# Allegro board A733_PRO2_AXP318_LPDDR4_4X_200BALL_32X1_V1_1.brd (continued)
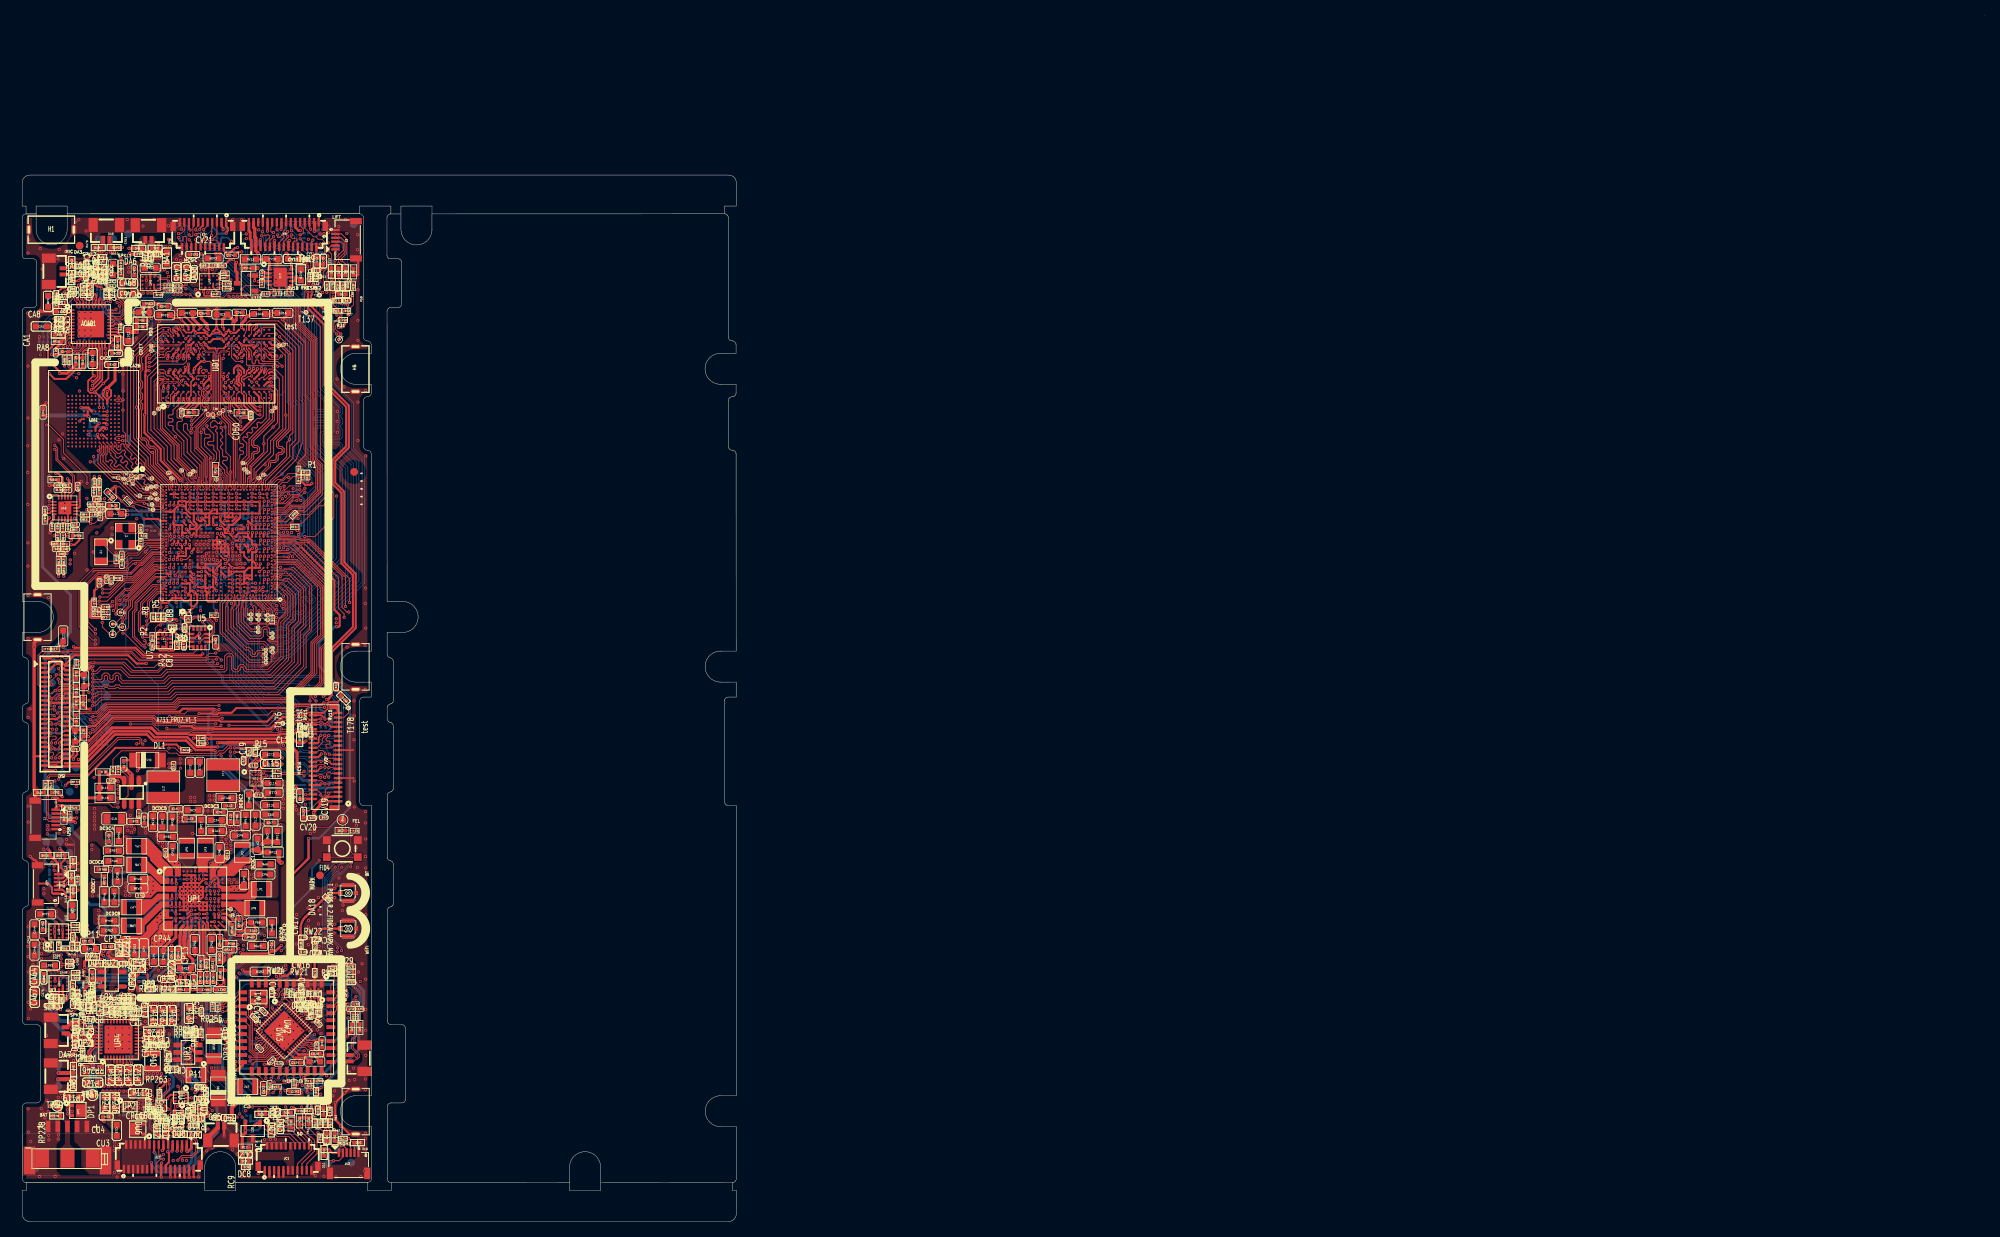
[diagram p0: board, top side]
## Footprints (pads in the part's own frame, mm; a bottom-side part is the same pattern mirrored in y, then rotated) (continued)
  rect 1.5x0.6 smd: 1(0,2.5) 2(0,1.25) 3(0,0) 4(0,-1.25) 5(0,-2.5)
  rect 3.6x1.5 smd: 6(4.4,-4.9) 7(4.4,4.9)
DFN3P130B200_200H65
  rect 0.4x0.5 smd: 1(0.65,0.75) 2(-0.65,0.75)
  rect 1.6x1.35 smd: 3(0,-0.425)
DFN11P50B300_300H75
  rect 0.6x0.24 smd: 1(-1.4,1) 2(-1.4,0.5) 3(-1.4,0) 4(-1.4,-0.5) 5(-1.4,-1) 6(1.4,-1) 7(1.4,-0.5) 8(1.4,0) 9(1.4,0.5) 10(1.4,1)
  rect 1.7x2.4 smd: 11(0,0)
DPX6P50B60_160H80
  rect 0.25x0.55 smd: 1(-0.5,0.425) 2(0,0.425) 3(0.5,0.425) 4(0.5,-0.425) 5(0,-0.425) 6(-0.5,-0.425)
ESD0201
  rect 0.3x0.3 smd: 1(-0.25,0) 2(0.25,0)
ESD0402
  rect 0.5x0.5 smd: 1(-0.425,0) 2(0.425,0)
FCQFN12P40B130_180H55
  round 0.25 smd: A1(-0.6,0.4) A2(-0.2,0.4) A3(0.2,0.4) A4(0.6,0.4) B1(-0.6,0) B2(-0.2,0) B3(0.2,0) B4(0.6,0) C1(-0.6,-0.4) C2(-0.2,-0.4) C3(0.2,-0.4) C4(0.6,-0.4)
FH26-21S
  rect 0.3x1.1 smd: 1(-5.7,-1.7) 3(-5.1,-1.7) 5(-4.5,-1.7) 7(-3.9,-1.7) 9(-3.3,-1.7) 11(-2.7,-1.7) 13(-2.1,-1.7) 15(-1.5,-1.7) 17(-0.9,-1.7) 19(-0.3,-1.7) 21(0.3,-1.7)
  rect 0.3x0.95 smd: 2(-5.4,1.475) 4(-4.8,1.475) 6(-4.2,1.475) 8(-3.6,1.475) 10(-3,1.475) 12(-2.4,1.475) 14(-1.8,1.475) 16(-1.2,1.475) 18(-0.6,1.475) 20(0,1.475)
  rect 0.7x1.2 smd: 22(-6.55,-1.175) 23(1.15,-1.175)
FH26-31S
  rect 0.3x1.1 smd: 1(-4.5,-1.7) 2(-4.2,1.475) 3(-3.9,-1.7) 4(-3.6,1.475) 5(-3.3,-1.7) 6(-3,1.475) 7(-2.7,-1.7) 8(-2.4,1.475) 9(-2.1,-1.7) 10(-1.8,1.475) 11(-1.5,-1.7) 12(-1.2,1.475) 13(-0.9,-1.7) 14(-0.6,1.475) 15(-0.3,-1.7) 16(0,1.475) 17(0.3,-1.7) 18(0.6,1.475) 19(0.9,-1.7) 20(1.2,1.475) 21(1.5,-1.7) 22(1.8,1.475) 23(2.1,-1.7) 24(2.4,1.475) 25(2.7,-1.7) 26(3,1.475) 27(3.3,-1.7) 28(3.6,1.475) 29(3.9,-1.7) 30(4.2,1.475) 31(4.5,-1.7)
  rect 0.7x1.2 smd: 32(5.35,-1.175) 33(-5.35,-1.175)
FIDICALMARK
  round 1 smd: 1(0,0)
FPC6-0_3-2_5X4_5H1_0L
  rect 0.3x1.1 smd: 1(-1.24,1.4) 2(-0.74,1.4) 3(-0.24,1.4) 4(0.26,1.4) 5(0.76,1.4) 6(1.26,1.4)
  rect 0.8x1.5 smd: 7(-2.4,-1.25) 8(2.4,-1.25)
KEY_3X3
  rect 1x1 smd: 1(-2,1.1) 2(2,1.1) 3(2,-1.1) 4(-2,-1.1)
KEZI
  oval 0.6x1.3 hole 0.3x1: 1(-2.9,0) 2(2.9,0)
L0201
  rect 0.3x0.3 smd: 1(-0.25,0) 2(0.25,0)
L0603
  rect 0.76x0.76 smd: 1(-0.71,0) 2(0.71,0)
LC4B120_200H120
  rect 0.68x0.48 smd: 1(-0.96,0.46) 2(0.96,0.46) 3(0.96,-0.46) 4(-0.96,-0.46)
LED0402
  rect 0.5x0.5 smd: 1(-0.425,0) 2(0.425,0)
LGA12P50B200_200H100
  rect 0.3x0.35 smd: 1(-0.75,0.8) 4(-0.75,-0.8) 5(-0.25,-0.8) 6(0.25,-0.8) 7(0.75,-0.8) 10(0.75,0.8) 11(0.25,0.8) 12(-0.25,0.8)
  rect 0.35x0.3 smd: 2(-0.8,0.25) 3(-0.8,-0.25) 8(0.8,-0.25) 9(0.8,0.25)
LGA14P50B250_300H81
  rect 0.7x0.3 smd: 1(-1.25,0.75) 2(-1.25,0.25) 3(-1.25,-0.25) 4(-1.25,-0.75) 8(1.25,-0.75) 9(1.25,-0.25) 10(1.25,0.25) 11(1.25,0.75)
  rect 0.3x0.7 smd: 5(-0.5,-1) 6(0,-1) 7(0.5,-1) 12(0.5,1) 13(0,1) 14(-0.5,1)
LP200_250H100
  rect 0.8x2 smd: 1(-1,0) 2(1,0)
LP400_400H180
  rect 1.5x4.2 smd: 1(-1.35,0) 2(1.35,0)
PFC41P60B13500_350H100
  rect 0.3x1.1 smd: 1(-5.7,-1.669) 2(-5.4,1.581) 3(-5.1,-1.669) 4(-4.8,1.581) 5(-4.5,-1.669) 6(-4.2,1.581) 7(-3.9,-1.669) 8(-3.6,1.581) 9(-3.3,-1.669) 10(-3,1.581) 11(-2.7,-1.669) 12(-2.4,1.581) 13(-2.1,-1.669) 14(-1.8,1.581) 15(-1.5,-1.669) 16(-1.2,1.581) 17(-0.9,-1.669) 18(-0.6,1.581) 19(-0.3,-1.669) 20(0,1.581) 21(0.3,-1.669) 22(0.6,1.581) 23(0.9,-1.669) 24(1.2,1.581) 25(1.5,-1.669) 26(1.8,1.581) 27(2.1,-1.669) 28(2.4,1.581) 29(2.7,-1.669) 30(3,1.581) 31(3.3,-1.669) 32(3.6,1.581) 33(3.9,-1.669) 34(4.2,1.581) 35(4.5,-1.669) 36(4.8,1.581) 37(5.1,-1.669) 38(5.4,1.581) 39(5.7,-1.669)
  rect 0.7x1.2 smd: 40(6.55,-1.144) 41(-6.55,-1.144)
QFN10P40B140_180H55
  rect 0.7x0.2 smd: 1(-0.55,0.2)
  rect 0.6x0.2 smd: 2(-0.6,-0.2) 6(0.6,-0.2) 7(0.6,0.2)
  rect 0.2x0.6 smd: 3(-0.4,-0.8) 4(0,-0.8) 5(0.4,-0.8) 8(0.4,0.8) 9(0,0.8) 10(-0.4,0.8)
QFN20P40B300_300H75
  rect 0.63x0.2 smd: 1(-1.385,0.8) 2(-1.385,0.4) 3(-1.385,0) 4(-1.385,-0.4) 5(-1.385,-0.8) 11(1.385,-0.8) 12(1.385,-0.4) 13(1.385,0) 14(1.385,0.4) 15(1.385,0.8)
  rect 0.2x0.63 smd: 6(-0.8,-1.385) 7(-0.4,-1.385) 8(0,-1.385) 9(0.4,-1.385) 10(0.8,-1.385) 16(0.8,1.385) 17(0.4,1.385) 18(0,1.385) 19(-0.4,1.385) 20(-0.8,1.385)
  rect 1.65x1.65 smd: 21(0,0)
QFN40P0_40B5_00X5_00H0_75
  custom 0.8x0.2 smd: 1(-2.5,1.8) 2(-2.5,1.4) 3(-2.5,1) 4(-2.5,0.6) 5(-2.5,0.2) 6(-2.5,-0.2) 7(-2.5,-0.6) 8(-2.5,-1) 9(-2.5,-1.4) 10(-2.5,-1.8) 21(2.5,-1.8) 22(2.5,-1.4) 23(2.5,-1) 24(2.5,-0.6) 25(2.5,-0.2) 26(2.5,0.2) 27(2.5,0.6) 28(2.5,1) 29(2.5,1.4) 30(2.5,1.8)
  custom 0.2x0.8 smd: 11(-1.8,-2.5) 12(-1.4,-2.5) 13(-1,-2.5) 14(-0.6,-2.5) 15(-0.2,-2.5) 16(0.2,-2.5) 17(0.6,-2.5) 18(1,-2.5) 19(1.4,-2.5) 20(1.8,-2.5) 31(1.8,2.5) 32(1.4,2.5) 33(1,2.5) 34(0.6,2.5) 35(0.2,2.5) 36(-0.2,2.5) 37(-0.6,2.5) 38(-1,2.5) 39(-1.4,2.5) 40(-1.8,2.5)
  rect 3.4x3.4 smd: 41(0,0)
QFN41P40B500_500H85
  rect 0.63x0.2 smd: 1(-2.385,1.8) 2(-2.385,1.4) 3(-2.385,1) 4(-2.385,0.6) 5(-2.385,0.2) 6(-2.385,-0.2) 7(-2.385,-0.6) 8(-2.385,-1) 9(-2.385,-1.4) 10(-2.385,-1.8) 21(2.385,-1.8) 22(2.385,-1.4) 23(2.385,-1) 24(2.385,-0.6) 25(2.385,-0.2) 26(2.385,0.2) 27(2.385,0.6) 28(2.385,1) 29(2.385,1.4) 30(2.385,1.8)
  rect 0.2x0.63 smd: 11(-1.8,-2.385) 12(-1.4,-2.385) 13(-1,-2.385) 14(-0.6,-2.385) 15(-0.2,-2.385) 16(0.2,-2.385) 17(0.6,-2.385) 18(1,-2.385) 19(1.4,-2.385) 20(1.8,-2.385) 31(1.8,2.385) 32(1.4,2.385) 33(1,2.385) 34(0.6,2.385) 35(0.2,2.385) 36(-0.2,2.385) 37(-0.6,2.385) 38(-1,2.385) 39(-1.4,2.385) 40(-1.8,2.385)
  rect 3.6x3.6 smd: 41(0,0)
QFN49P35B500_500H85
  rect 0.75x0.18 smd: 1(-2.475,1.575) 2(-2.475,1.225) 3(-2.475,0.875) 4(-2.475,0.525) 5(-2.475,0.175) 6(-2.475,-0.175) 7(-2.475,-0.525) 8(-2.475,-0.875) 9(-2.475,-1.225) 10(-2.475,-1.575) 25(2.475,-1.575) 26(2.475,-1.225) 27(2.475,-0.875) 28(2.475,-0.525) 29(2.475,-0.175) 30(2.475,0.175) 31(2.475,0.525) 32(2.475,0.875) 33(2.475,1.225) 34(2.475,1.575)
  rect 0.18x0.75 smd: 11(-2.275,-2.475) 12(-1.925,-2.475) 13(-1.575,-2.475) 14(-1.225,-2.475) 15(-0.875,-2.475) 16(-0.525,-2.475) 17(-0.175,-2.475) 18(0.175,-2.475) 19(0.525,-2.475) 20(0.875,-2.475) 21(1.225,-2.475) 22(1.575,-2.475) 23(1.925,-2.475) 24(2.275,-2.475) 35(2.275,2.475) 36(1.925,2.475) 37(1.575,2.475) 38(1.225,2.475) 39(0.875,2.475) 40(0.525,2.475) 41(0.175,2.475) 42(-0.175,2.475) 43(-0.525,2.475) 44(-0.875,2.475) 45(-1.225,2.475) 46(-1.575,2.475) 47(-1.925,2.475) 48(-2.275,2.475)
  rect 3.7x3.7 smd: 49(0,0)
R0201
  rect 0.3x0.3 smd: 1(-0.25,0) 2(0.25,0)
R0402
  rect 0.5x0.5 smd: 1(-0.425,0) 2(0.425,0)
R0603
  rect 0.76x0.76 smd: 1(-0.71,0) 2(0.71,0)
RA6P45B125_200H60
  rect 0.9x0.3 smd: 1(-0.95,0.45) 3(-0.95,-0.45) 4(0.95,-0.45) 6(0.95,0.45)
  rect 0.9x0.2 smd: 2(-0.95,0) 5(0.95,0)
RF-CD-ARF003-P01A-PAD10
  rect 0.6x0.55 smd: 1(0.003,-0.975)
  rect 0.5x0.5 smd: 2(0.003,1) 5(0.049,2.258)
  rect 0.5x1.6 smd: 3(-0.997,0) 4(1.002,0)
SOD180_270H110
  rect 1.4x1.9 smd: 1(-1.65,0) 2(1.65,0)
SOT3P95B130_290H103
  rect 0.95x0.46 smd: 1(-0.975,0.95) 2(-0.975,-0.95) 3(0.975,0)
SOT6P95B160_290H145
  rect 1.05x0.6 smd: 1(-1.35,0.95) 2(-1.35,0) 3(-1.35,-0.95) 4(1.35,-0.95) 5(1.35,0) 6(1.35,0.95)
SOT23
  rect 0.6x0.85 smd: 1(-0.991,-1.143) 2(0.991,-1.143) 3(0,1.143)
SOT23-5
  oval 1.2x0.55 smd: 1(-1.246,0.95) 2(-1.246,0) 3(-1.246,-0.95) 4(1.373,-0.95) 5(1.373,0.95)
SOT23-6
  oval 0.6x1.25 smd: 1(-0.95,-1.525) 2(0,-1.525) 3(0.95,-1.525) 4(0.95,1.525) 5(0,1.525) 6(-0.95,1.525)
SUB_WIFI44B1200_1200H150
  rect 1.13x0.5 smd: 1(-5.688,4.5) 2(-5.688,3.6) 3(-5.688,2.7) 4(-5.688,1.8) 5(-5.688,0.9) 6(-5.688,0) 7(-5.688,-0.9) 8(-5.688,-1.8) 9(-5.688,-2.7) 10(-5.688,-3.6) 11(-5.688,-4.5) 23(5.688,-4.5) 24(5.688,-3.6) 25(5.688,-2.7) 26(5.688,-1.8) 27(5.688,-0.9) 28(5.688,0) 29(5.688,0.9) 30(5.688,1.8) 31(5.688,2.7) 32(5.688,3.6) 33(5.688,4.5)
  rect 0.5x1.13 smd: 12(-4.5,-5.688) 13(-3.6,-5.688) 14(-2.7,-5.688) 15(-1.8,-5.688) 16(-0.9,-5.688) 17(0,-5.688) 18(0.9,-5.688) 19(1.8,-5.688) 20(2.7,-5.688) 21(3.6,-5.688) 22(4.5,-5.688) 34(4.5,5.688) 35(3.6,5.688) 36(2.7,5.688) 37(1.8,5.688) 38(0.9,5.688) 39(0,5.688) 40(-0.9,5.688) 41(-1.8,5.688) 42(-2.7,5.688) 43(-3.6,5.688) 44(-4.5,5.688)
TP30
  round 0.3 smd: 1(0,0)
TP50
  round 0.5 smd: 1(0,0)
TP100
  round 1 smd: 1(0,0)
unnamed
  round 1 smd: 1(0,0)
WF_080_2P
  rect 0.5x1 smd: 1(-0.4,0) 2(0.4,0)
  rect 1.2x1.8 smd: 3(-1.7,-1.9) 4(1.7,-1.9)
X2B150_320H75_SMD
  rect 1x1.8 smd: 1(-1.25,0) 2(1.25,0)
X4B165_205H45_SMD
  rect 0.8x0.8 smd: 1(-0.575,0.725) 2(-0.575,-0.725) 3(0.575,-0.725) 4(0.575,0.725)
X4B250_320H120_SMD
  rect 0.95x1.2 smd: 1(-0.875,1.1) 2(-0.875,-1.1) 3(0.875,-1.1) 4(0.875,1.1)

## Nets
AGND: C1.1 C3.1 C4.1 R11.1 U1.1F22(VREFN-ADC) U1.1F23(AGND)
AVCC: C1.2 C5.1 C38.1 C39.1 C50.1 CD43.1 CD44.1 CP35.2 R2.1 R5.1 R8.1 R12.1 R27.1 R49.1 R70.2 R71.2 R72.1 RP33.1 U1.1H21(VCC-ADC) U1.1J11(VCC-DCXO2) U1.1J21(VCC-DCXO1) U1.1T20(VCC-DCXO) U1.1V12(VDD18-DRAM)
AVDD: CL10.2 CL11.2 JL1.45(AVDD+6V) UL1.E3(AVDD)
AVDD18: CW13.2 UW3.5(AVDD18)
AVDD-H-COMB0: C10.1 C125.1 C133.1 CM3.1 CM6.1 CP37.2 R15.1 R74.1 RM4.2 RM5.2 RP2.1 RP38.1 RP42.1 U1.1U6(VCC18-PF) U1.1Y21(VCC-PC) UM1.C6(VCCQ1) UM1.M4(VCCQ2) UM1.N4(VCCQ3) UM1.P3(VCCQ4) UM1.P5(VCCQ5)
AVEE: CL12.2 CL13.2 JL1.44(AVEE-6V) UL1.A2(AVEE)
DVDD: CA79.1 CA80.1 RA60.2 UA6.19(DVCC)
DVDD-CSI-F: CP55.2 CV7.1 CV19.1 JV1.3(DVDD12) JV2.3(DVDD12) T135.1(TP) T154.1(TP) UP1.N14(ELDO4)
DVDD-CSI-R2: CP141.2 CV26.1 JV3.3(DVDD12) UP1.N13(ELDO5)
GND: C5.2 C6.2 C7.2 C8.2 C9.2 C10.2 C11.2 C12.2 C13.2 C14.2 C15.2 C16.2 C17.2 C18.2 C19.2 C20.2 C21.2 C22.2 C23.2 C24.2 C25.2 C26.2 C27.2 C28.2 C29.2 C30.2 C31.2 C32.2 C33.2 C34.2 C35.2 C36.2 C37.2 C38.2 C39.2 C40.2 C41.2 C42.2 C43.2 C44.2 C45.2 C46.2 C47.1 C48.2 C49.2 C50.2 C51.2 C52.2 C53.2 C54.2 C55.2 C56.2 C57.2 C58.2 C59.2 C60.2 C61.2 C62.2 C63.2 C64.2 C65.2 C66.2 C67.2 C68.2 C69.2 C70.2 C71.2 C72.2 C73.2 C74.2 C75.2 C76.2 C77.2 C78.2 C79.2 C80.2 C81.2 C82.2 C83.2 C84.2 C85.2 C86.2 C87.2 C88.2 C89.2 C92.2 C93.2 C95.1 C96.2 C97.2 C108.2 C109.2 C110.2 C111.2 C116.2 C125.2 C128.2 C129.2 C130.2 C131.2 C132.2 C133.2 C134.2 C135.2 C257.2 C258.2 C259.1 CA1.1 CA2.2 CA3.1 CA4.1 CA5.1 CA10.2 CA11.2 CA12.2 CA13.2 CA14.2 CA15.1 CA16.1 CA17.2 CA18.1 CA23.2 CA24.2 CA25.2 CA27.2 CA33.2 CA34.2 CA35.2 CA36.2 CA37.2 CA39.1 CA40.2 CA41.2 CA42.2 CA44.2 CA45.1 CA46.1 CA53.2 CA54.2 CA55.2 CA56.2 CA57.2 CA58.2 CA59.2 CA60.2 CA61.2 CA63.2 CA64.2 CA65.2 CA67.1 CA68.1 CA75.2 CA76.2 CA77.2 CA78.2 CA79.2 CA80.2 CA81.2 CA82.2 CA83.1 CA89.2 CA90.2 CA91.2 CA92.2 CA93.1 CA99.2 CA100.2 CA101.2 CA102.2 CC2.2 CD1.2 CD2.2 CD3.2 CD4.2 CD5.2 CD6.2 CD7.2 CD8.2 CD9.2 CD10.2 CD11.2 CD12.2 CD13.2 CD14.2 CD15.2 CD16.2 CD17.2 CD18.2 CD19.2 CD20.2 CD21.2 CD22.2 CD23.2 CD24.2 CD25.2 CD26.2 CD27.2 CD28.2 CD29.2 CD30.2 CD31.2 CD32.2 CD33.2 CD34.2 CD35.2 CD36.2 CD37.2 CD38.2 CD39.2 CD40.2 CD41.2 CD42.2 CD43.2 CD44.2 CD45.2 CD46.2 CD47.2 CD48.2 CD49.2 CD50.2 CD51.2 CD52.2 CD53.2 CD54.2 CD55.2 CD56.2 CD57.2 CD58.2 CL1.1 CL3.1 CL4.1 CL5.1 CL6.1 CL7.1 CL9.1 CL10.1 CL11.1 CL12.1 CL13.1 CL14.2 CL16.2 CL17.2 CL18.1 CL19.2 CL20.1 CM1.2 CM2.2 CM3.2 CM4.2 CM5.2 CM6.2 CM7.2 CM8.2 CP1.1 CP2.1 CP3.2 CP4.1 CP5.1 CP6.1 CP7.1 CP8.2 CP9.1 CP10.1 CP11.1 CP12.1 CP13.1 CP15.2 CP17.1 CP18.1 CP20.1 CP21.1 CP22.1 CP23.2 CP24.1 CP25.1 CP27.1 CP28.1 CP29.1 CP30.2 CP31.1 CP32.1 CP33.1 CP34.1 CP35.1 CP37.1 CP38.2 CP39.1 CP40.1 CP41.1 CP43.2 CP44.1 CP46.1 CP47.1 CP48.1 CP49.2 CP50.1 CP51.1 CP52.1 CP55.1 CP56.2 CP58.1 CP59.1 CP103.1 CP112.2 CP115.2 CP116.1 CP117.1 CP118.1 CP119.2 CP120.1 CP122.2 CP123.1 CP124.1 CP126.1 CP127.1 CP129.1 CP132.1 CP133.1 CP134.1 CP135.1 CP136.2 CP137.1 CP138.1 CP139.1 CP140.1 CP141.1 CP142.2 CP143.2 CU1.1 CU2.1 CU3.2 CU4.2 CU5.1 CU6.1 CV1.2 CV2.2 CV3.2 CV4.2 CV5.2 CV6.2 CV7.2 CV8.1 CV9.1 CV10.2 CV11.2 CV13.2 CV14.2 CV15.2 CV16.2 CV17.2 CV18.2 CV19.2 CV20.2 CV21.2 CV22.2 CV23.2 CV24.2 CV25.2 CV26.2 CW1.2 CW2.2 CW5.1 CW6.1 CW7.2 CW8.2 CW9.2 CW10.2 CW11.1 CW12.2 CW13.1 CW15.1 CW16.1 CW17.1 CW19.2 CW20.1 CW21.1 CW22.1 CW23.1 CW24.2 CW25.2 CW26.2 CW27.1 CW28.1 CW29.2 CW30.1 CW31.1 D1.1(ANODE) D2.1(ANODE) D3.1(ANODE) D4.1(ANODE) D5.1(ANODE) D6.1 D7.1(ANODE) D8.1(ANODE) D9.1(ANODE) D10.1(ANODE) D11.1(ANODE) D12.1(ANODE) DA1.1(ANODE) DA2.1(ANODE) DA3.1(ANODE) DA4.1(ANODE) DA5.1(ANODE) DA6.1(ANODE) DA7.1(ANODE) DA8.1(ANODE) DA9.1(ANODE) DA10.1(ANODE) DA11.1(ANODE) DA12.1(ANODE) DA13.1(ANODE) DA14.1(ANODE) DA15.1(ANODE) DA16.1(ANODE) DA17.1(ANODE) DA18.1(ANODE) DC1.1(ANODE) DC2.1(ANODE) DC3.1(ANODE) DC4.1(ANODE) DC5.1(ANODE) DC6.1(ANODE) DC7.1(ANODE) DC8.1(ANODE) DL2.1(ANODE) DL3.1(ANODE) DL4.1(ANODE) DL5.1(ANODE) DL6.1(ANODE) DL7.1(ANODE) DP1.1 DP1.2 DU1.1(ANODE) DU2.1(ANODE) DU3.1(ANODE) DU4.1(ANODE) DU6.1 DU6.2 DU7.1(ANODE) DU8.1(ANODE) DU9.1(ANODE) DU10.1(ANODE) DU11.1(ANODE) DU12.1(ANODE) H1.1 H1.2 H2.1 H2.2 H3.1 H3.2 H4.1 H4.2 H5.1 H5.2 J1.1 J1.6 J1.7 J1.8 J2.1 J2.6 J2.7 J2.8 J3.1 J3.2 J3.3 J3.4 J3.5 J4.1 J4.2 J4.3 J4.4 J4.5 J5.1 J5.2 J5.3 J5.4 J5.5 J6.1 J6.2 J6.3 J6.4 J6.5 J7.1 J7.2 J7.3 J7.4 J7.5 J8.1 J8.2 J8.3 J8.4 J8.5 J9.1 J9.2 J9.3 J9.4 J9.5 J10.1 J10.2 J10.3 J10.4 J10.5 J11.2 J11.4 J12.1 J12.6 J12.7 J12.8 J13.1 J13.2 J13.3 J13.4 J13.5 J14.1 J14.2 J14.3 J14.4 J14.5 JA1.3 JA1.4 JA2.3 JA2.4 JA3.3 JA3.4 JA4.3 JA4.4 JA5.3 JA5.4 JA6.3 JA6.4 JA7.6 JA7.7 JA7.8 JC1.1(GND) JC1.2 JC1.3 JC1.4 JC1.5 JC1.6 JC1.7 JC1.8 JC1.9 JC1.10(GND1) JC1.21(GND2) JC1.22 JC1.23 JL1.7(GND0) JL1.16(GND1) JL1.24(GND2) JL1.25(GND3) JL1.28(GND4) JL1.31(GND5) JL1.34(GND6) JL1.37(GND7) JL1.40(GND8) JL1.41(GND9) JL1.46 JL1.47 JP1.4 JP1.5 JP1.6 JP2.3(GND) JU1.17 JU1.18 JU1.21 JU1.22 JU1.23 JU1.24 JU1.25 JU1.26 JU1.27 JU1.28 JU1.29 JU1.30 JU1.31 JU1.32 JU1.33 JV1.11(DGND) JV1.14(DGND1) JV1.17(DGND2) JV1.20(DGND3) JV1.23(DGND4) JV1.26(DGND5) JV1.32 JV1.33 JV2.8(DGND0) JV2.11(DGND1) JV2.14(DGND2) JV2.17(DGND3) JV2.20(DGND4) JV2.23(DGND5) JV2.26(DGND6) JV2.33(DGND7) JV2.38(DGND8) JV2.39(DGND9) JV2.40 JV2.41 JV3.11(DGND) JV3.14(DGND1) JV3.17(DGND2) JV3.20(DGND3) JV3.21(NC1) JV3.22 JV3.23 JW1.2(G1) JW1.3(G2) JW1.4(G3) JW1.5(G4) JW2.2(G1) JW2.3(G2) JW2.4(G3) JW2.5(G4) K1.3 K1.4 LW3.2 LW4.2 QV1.2(SOURCE) R4.1 R6.1 R7.2 R9.2 R10.2 R11.2 R13.1 R14.1 R17.1 R22.1 R24.2 R36.1 R37.2 R43.1 R46.2 R48.1 R66.1 R67.1 R68.1 RA6.1 RA8.2 RA13.2 RA25.2 RA26.2 RA33.2 RA34.1 RA35.1 RA36.2 RA39.1 RA40.1 RA49.1 RA61.2 RA65.1 RA66.2 RA69.1 RA89.1 RC8.2 RC9.2 RD5.2 RL5.2 RL7.2 RL11.2 RL13.1 RL16.2 RL18.2 RL22.2 RL23.2 RL38.1 RL42.2 RL47.1 RM2.1 RM3.1 RM6.2 RM9.1 RP57.2 RP225.1 RP228.1 RP247.2 RP248.2 RP250.2 RP254.2 RP256.2 RP257.2 RU6.2 RU7.2 RU8.2 RV17.1 RV18.1 RV19.1 RV20.1 RV21.2 RW4.1 RW17.1 RW31.1 RW32.1 RW33.2 RW38.1 T22.1(TP) T26.1(TP) T29.1(TP) T32.1(TP) T150.1(TP) T160.1(TP) TP29.1(TP) TP41.1(TP) TP42.1(TP) TP53.1(TP) TP58.1(TP) U1.1A5(GND42) U1.1A17(GND43) U1.1A21(GND44) U1.1AA3(GND135) U1.1AA4(GND136) U1.1AA5(GND137) U1.1AA6(GND138) U1.1AA8(GND139) U1.1AA10(GND140) U1.1AA12(GND141) U1.1AA14(GND142) U1.1AA16(GND143) U1.1AA17(GND144) U1.1AA18(GND145) U1.1AA20(GND146) U1.1AB14(GND147) U1.1AB18(GND148) U1.1AB25(GND149) U1.1AC3(GND150) U1.1AC22(GND151) U1.1AD4(GND152) U1.1AD6(GND153) U1.1AD8(GND154) U1.1AD10(GND155) U1.1AD12(GND156) U1.1AD14(GND157) U1.1AD16(GND158) U1.1AD18(GND159) U1.1AD20(GND160) U1.1AD22(GND161) U1.1AD24(GND162) U1.1AF24(GND163) U1.1AF26(GND164) U1.1B3(GND45) U1.1B15(GND46) U1.1B17(GND47) U1.1B19(GND48) U1.1B21(GND49) U1.1C7(GND50) U1.1C9(GND51) U1.1C15(GND52) U1.1C17(GND53) U1.1C21(GND54) U1.1C23(GND55) U1.1D5(GND56) U1.1D7(GND57) U1.1D15(GND58) U1.1D17(GND59) U1.1E5(GND60) U1.1E7(GND61) U1.1E11(GND62) U1.1E17(GND63) U1.1E21(GND64) U1.1F7(GND65) U1.1F9(GND66) U1.1F11(GND67) U1.1F26(GND68) U1.1G3(GND69) U1.1G4(GND70) U1.1G5(GND71) U1.1G11(GND72) U1.1G17(GND73) U1.1G19(GND74) U1.1H14(GND75) U1.1H17(GND76) U1.1H19(GND77) U1.1J5(GND78) U1.1J6(GND79) U1.1J13(GND80) U1.1K12(GND81) U1.1K22(GND82) U1.1K23(GND83) U1.1K24(GND84) U1.1L4(GND85) U1.1L5(GND86) U1.1L7(GND87) U1.1L8(GND88) U1.1L11(GND89) U1.1L12(GND90) U1.1L13(GND91) U1.1M11(GND92) U1.1M13(GND93) U1.1M14(GND94) U1.1M21(GND95) U1.1M22(GND96) U1.1N4(GND97) U1.1N5(GND98) U1.1N8(GND99) U1.1N9(GND100) U1.1N12(GND101) U1.1N14(GND102) U1.1N15(GND103) U1.1P14(GND104) U1.1P15(GND105) U1.1P24(GND106) U1.1R2(GND107) U1.1R6(GND108) U1.1R7(GND109) U1.1R9(GND110) U1.1R14(GND111) U1.1T12(GND112) U1.1T22(GND113) U1.1T23(GND114) U1.1T25(GND115) U1.1U4(GND116) U1.1U12(GND117) U1.1U21(GND118) U1.1V10(GND119) U1.1V11(GND120) U1.1V16(GND121) U1.1V21(GND122) U1.1V23(GND123) U1.1V24(GND124) U1.1V25(GND125) U1.1W9(GND126) U1.1W16(GND127) U1.1W20(GND128) U1.1Y8(GND129) U1.1Y10(GND130) U1.1Y11(GND131) U1.1Y12(GND132) U1.1Y16(GND133) U1.1Y17(GND134) U1.1Y25(UFS-REFM) U1.A1(GND0) U1.A7(GND1) U1.A19(GND2) U1.A28(GND3) U1.A31(GND4) U1.A33(COMB1-REF-CLKN) U1.A34(COMB1-REF-CLKP) U1.A37(GND5) U1.AA37(GND17) U1.AB36(GND18) U1.AC2(GND19) U1.AC36(GND20) U1.AF36(GND21) U1.AG1(GND22) U1.AJ36(GND23) U1.AK37(GND24) U1.AL37(GND25) U1.AN2(GND26) U1.AT5(GND27) U1.AT8(GND28) U1.AT12(GND29) U1.AT13(GND30) U1.AT17(GND31) U1.AT24(GND32) U1.AT26(GND33) U1.AT30(GND34) U1.AU1(GND35) U1.AU10(GND36) U1.AU15(GND37) U1.AU19(GND38) U1.AU22(GND39) U1.AU34(GND40) U1.AU37(GND41) U1.B15(GND6) U1.B23(GND7) U1.B26(GND8) U1.B28(COMB0-REF-CLKP) U1.B29(COMB0-REF-CLKN) U1.B33(GND9) U1.H2(GND10) U1.J36(GND11) U1.L2(GND12) U1.T36(GND13) U1.U2(GND14) U1.V36(GND15) U1.W36(GND16) U2.6(GND) U5.A1(VSS) U7.4(NC) U7.8(GNDIO) U7.9(GND) UA1.41(GND) UA2.B1(PGND) UA2.B4(CGND) UA3.B1(PGND) UA3.B4(CGND) UA4.B1(PGND) UA4.B4(CGND) UA5.B1(PGND) UA5.B4(CGND) UA6.9(AGND) UA6.14(DEV_ID0) UA6.15(DEV_ID1) UA6.21(GND) UD1.A3(VSS0) UD1.A10(VSS1) UD1.AB3(VSS54) UD1.AB5(VSS55) UD1.AB8(VSS56) UD1.AB10(VSS57) UD1.C1(VSS2) UD1.C5(VSS3) UD1.C8(VSS4) UD1.C12(VSS5) UD1.D2(VSS6) UD1.D4(VSS7) UD1.D9(VSS8) UD1.D11(VSS9) UD1.E1(VSS10) UD1.E5(VSS11) UD1.E8(VSS12) UD1.E12(VSS13) UD1.G1(VSS14) UD1.G3(VSS15) UD1.G5(VSS16) UD1.G8(VSS17) UD1.G10(VSS18) UD1.G12(VSS19) UD1.J1(VSS20) UD1.J3(VSS21) UD1.J10(VSS22) UD1.J12(VSS23) UD1.K2(VSS24) UD1.K4(VSS25) UD1.K9(VSS26) UD1.K11(VSS27) UD1.N2(VSS28) UD1.N4(VSS29) UD1.N9(VSS30) UD1.N11(VSS31) UD1.P1(VSS32) UD1.P3(VSS33) UD1.P10(VSS34) UD1.P12(VSS35) UD1.T1(VSS36) UD1.T3(VSS37) UD1.T5(VSS38) UD1.T8(VSS39) UD1.T10(VSS40) UD1.T12(VSS41) UD1.V1(VSS42) UD1.V5(VSS43) UD1.V8(VSS44) UD1.V12(VSS45) UD1.W2(VSS46) UD1.W4(VSS47) UD1.W9(VSS48) UD1.W11(VSS49) UD1.Y1(VSS50) UD1.Y5(VSS51) UD1.Y8(VSS52) UD1.Y12(VSS53) UL1.B3(PGND2) UL1.D2(AGND) UL1.E1(PGND1) UL2.2(GND) UM1.C4(VSSQ1) UM1.E7(VSS1) UM1.G5(VSS2) UM1.H10(VSS3) UM1.K8(VSS6) UM1.N2(VSSQ2) UM1.N5(VSSQ3) UM1.P4(VSSQ4) UM1.P6(VSSQ5) UP1.B5(FB_GND4) UP1.B7(FB_GND5) UP1.B8(FB_GND3) UP1.C11(FB_GND2) UP1.D5(GND#D5) UP1.D7(GND#D7) UP1.D9(GND#D9) UP1.E4(GND#E4) UP1.E6(GND#E6) UP1.E8(GND#E8) UP1.E10(GND#E10) UP1.F5(GND#F5) UP1.F7(GND#F7) UP1.F9(GND#F9) UP1.G4(GND#G4) UP1.G6(GND#G6) UP1.G8(GND#G8) UP1.G10(GND#G10) UP1.H5(GND#H5) UP1.H7(GND#H7) UP1.H9(GND#H9) UP1.J6(GND#J6) UP1.J8(GND#J8) UP1.J10(GND#J10) UP1.J11(GND#J11) UP1.K5(GND#K5) UP1.K7(GND#K7) UP1.K9(GND#K9) UP1.L4(GND#L4) UP1.L6(GND#L6) UP1.L10(GND#L10) UP1.L11(GND#L11) UP1.P11(AGND) UP1.P14(GND#P14) UP1.R15(GND#R15) UP2.A1(EN#) UP2.A4(GND0) UP2.B4(GND1) UP2.C4(GND2) UP3.2(GND) UP4.28(GND) UP4.41(EP) UP5.C2(GND) UU1.2(GND) UU2.C2(GND) UU3.6(GND) UV1.8(GND#8) UV1.9(GND#9) UV1.11(GND_PAD) UW1.2(G0) UW1.4(G1) UW1.6(G2) UW2.1(GND1) UW2.3(GND2) UW2.20(GND3) UW2.31(GND4) UW2.33(GND5) UW2.36(GND6) UW3.2(GPIOB4) UW3.7(GPIOB5) UW3.26(GPIOB6) UW3.35(AVSS0) UW3.36(AVSS1) UW3.40(WF_AUX5G) UW3.49(GND) Y1.2(GND1) Y1.4(GND2) YW1.2 YW1.3 YW1.4
VBAT: CP119.1 CP120.2 DP1.3 JP1.1 JP1.2 JP1.7 JP2.1(BAT) RP246.4(O2) RP246.6(O1) TP57.1(TP)
VBUS-AXP318: CP4.2 CP123.2 CP126.2 CP127.2 LP10.2 UP1.P1(DCIN#P1) UP1.P2(DCIN#P2) UP1.R1(DCIN#R1) UP1.R2(DCIN#R2) UP4.4(VSYS1) UP4.5(VSYS2) UP4.6(VSYS3) UP4.7(VSYS4)
VBUS-AXP515: CP112.1 CP117.2 CP118.2 CP132.2 CP133.2 RP236.1 RP240.1 RP245.1 UP2.A2(OUT0) UP2.A3(OUT1) UP2.B2(OUT2) UP4.19(VBUS1) UP4.20(VBUS2) UP5.A2(VBUS)
VBUS-USB: CP115.1 CU3.1 CU4.1 DU6.3 JU1.1 JU1.2 JU1.3 JU1.4 JU1.5 JU1.6 JU1.7 JU1.8 JU1.9 JU1.10 JU1.11 JU1.12 RP236.2 RP237.2 RP240.2 UP2.B3(IN2) UP2.C2(IN0) UP2.C3(IN1)
VCC33-18-USB: C8.1 RP7.2 RP39.2 U1.1F19(VCC33-18-USB)
VCC33-18-USB-2: C108.1 RP2.2 RP50.2 U1.1D19(VCC33-18-USB2-U2)
VCC-5V: CP134.2 CP135.2 CU1.2 DP3.2 RP249.1 RP253.1 RP255.1 RU2.2 UP5.B1(VCONN) UU1.5(IN)
VCC-5V-USB: CU2.2 DU4.2(CATHODE) J1.5 RU2.1 UU1.1(OUT)
VCC-CARD-3V3: CC2.1 DC8.2(CATHODE) JC1.11(VCC1) JC1.12(VCC2) JC1.13(VCC3) QC1.3(D) RC2.2 RC9.1
VCC-IO: C9.1 C16.1 C17.1 C109.1 C128.1 R1.2 R3.1 R38.2 R39.2 R59.1 R60.1 R63.1 R64.1 R73.1 RA27.2 RA28.2 RA29.1 RA90.2 RA91.2 RC3.2 RC4.2 RP50.1 RP234.1 RP242.1 RP271.1 RP272.1 U1.1F17(VCC33-USB2-U2) U1.1U5(VCC-IO) U1.1W6(VCC-PH)
VCC-RTC: C51.1 R21.1 R23.1 RP3.1 RP8.1 RP19.2 U1.1P25(VCC-RTC)
VCC-SENSOR: C87.1 C88.1 C89.1 C92.1 C93.1 C96.1 C97.1 CV9.2 R42.2 R44.2 RP42.2 RP53.2 RV10.2 U2.5(VDDIO) U2.8(VDD) U2.12(CS) U5.B1(VDD) U7.3(VDDIO) U7.7(VDD)
VCC-UFS-IO: CM8.1 U1.1V20(VCC-UFS)
VCC-VDDQ: CD16.1 CD17.1 CD18.1 CD19.1 CD20.1 CD21.1 CD22.1 CD23.1 CD24.1 CD25.1 CD26.1 CD27.1 CD28.1 CD29.1 CD30.1 CD31.1 CD32.1 CD33.1 CD34.1 RD3.2 RD4.2 RP15.2 RP20.2 UD1.AA3(VDDQ-16) UD1.AA5(VDDQ-17) UD1.AA8(VDDQ-18) UD1.AA10(VDDQ-19) UD1.B3(VDDQ-0) UD1.B5(VDDQ-1) UD1.B8(VDDQ-2) UD1.B10(VDDQ-3) UD1.D1(VDDQ-4) UD1.D5(VDDQ-5) UD1.D8(VDDQ-6) UD1.D12(VDDQ-7) UD1.F3(VDDQ-8) UD1.F10(VDDQ-9) UD1.U3(VDDQ-10) UD1.U10(VDDQ-11) UD1.W1(VDDQ-12) UD1.W5(VDDQ-13) UD1.W8(VDDQ-14) UD1.W12(VDDQ-15)
VDD-CPUBFB: RP268.1 T41.1(TP) U1.1K21(VDD-CPUBFB) UP1.B9(DCDC3)
VDD-CPULFB: RP270.1 T42.1(TP) U1.1P21(VDD-CPULFB) UP1.A8(DCDC5)
VDD-DRAM: C77.1 C78.1 C79.1 C80.1 C81.1 C82.1 C83.1 C134.1 C135.1 RP49.2 RP127.2 U1.1U8(VDD-DRAM0) U1.1U13(VDD-DRAM1) U1.1V8(VDD-DRAM2) U1.1W17(VDD-DRAM3) U1.1W18(VDD-DRAM4)
VDD-GPUFB: RP269.1 T43.1(TP) U1.1R13(VDD-GPUFB) UP1.C5(DCDC4)
VDD-SYSFB: RP267.1 T44.1(TP) U1.1K13(VDD-SYSFB) UP1.B11(DCDC2)
VDDI-EMMC: CM2.1 CM5.1 UM1.C2(VDDI)
VINT: CP20.2 UP1.L13(VINT)
VPP/VCC: CA10.1 RA9.2 RA10.1 UA1.15(VPP/VCC)
VRN/AGND: RA26.1 UA1.6(VRN/AGND)
VRP/AVCC: CA1.2 UA1.5(VRP/AVCC)
AECLN: CA97.2 RA84.2 RA86.1 RA88.1
AECLP: CA94.2 RA83.2 RA85.1 RA87.1
AECRN: CA87.2 RA80.1 RA82.2
AECRP: CA84.2 RA79.1 RA81.2
AFVCC-CSI: CP44.2 UP1.R5(DLDO3)
AGND/VRP: RA8.1 UA1.7(AGND/VRP)
ALDO1: C7.1 C20.1 CP11.2 CP12.2 CV8.2 RP4.1 RP9.1 RP10.1 RP39.1 RU1.1 RV9.2 RV11.2 RV12.2 U1.1E19(VCC33-USB) U1.1M23(VCC-PL) UP1.P3(AIN234)
ALDO2: CP13.2 CV5.1 CV17.1 JV1.2(AVDD28) JV2.2(AVDD28) T132.1(TP) T156.1(TP) UP1.J3(ALDO2)
ALDO3: CP140.2 CV24.1 JV3.2(AVDD28) UP1.J4(ALDO3)
ALDO4: UP1.M4(ALDO4)
ALDO5: CA18.2 CP17.2 RA10.2 RA14.1 RA16.1 RA17.2 RA59.1 UA1.25(VDD-IO) UA1.33(VCC-IO/DEVID) UP1.L3(ALDO5)
ALDO6: UP1.L2(ALDO6)
ALS-INT: JV2.36(INT-LSENSOR) RV12.1 RV21.1 T177.1(TP) U1.1H25(PL13/S-UART1-RX/S-TWI1-SDA/S-TW)
ANT0: RW21.1 UW1.5(RFIN) UW2.2(WL_BT_ANT)
ANT1: CW16.2 CW32.1 RW18.1 UW2.4(FM_RX)
AP-CK32K-OUT: RW34.1 RW37.1 U1.U36(X32KFOUT)
AP-NMI: C48.1 RP3.2 RP5.2 U1.1M26(NMI) UP1.G14(IRQ)
AP-RESET: C37.1 R28.1 R52.1 RP8.2 RP243.2 U1.1M24(RESET) UP1.G11(PWROK)
AP-WAKE-BT: RW38.2 U1.R36(PM3/S-JTAG-DI/S-SPI0-MISO/S-UAR) UW2.6(BT_WAKE) UW3.1(GPIOB3)
AVCC/VRA1: CA14.1 RA16.2 UA1.8(AVCC/VRA1)
BACKUP: T55.1(TP) UP1.L15(BKUPBAT)
BLDO1: C14.1 C18.1 C19.1 CP24.2 CV6.1 CV18.1 CV25.1 JV1.1(DOVDD18) JV2.1(DOVDD18) JV3.1(DOVDD18) RP22.1 RV2.1 RV3.1 RV4.1 RV6.1 RV7.1 RV8.1 RV22.1 RV23.1 RV24.1 RV25.1 T131.1(TP) T153.1(TP) U1.1G7(VCC-PE) U1.1G9(VCC-MCSI) U1.1H11(VCC-PK)
BLDO2: C11.1 C12.1 C13.1 C132.1 CL17.1 CL18.2 CP25.2 DL2.2(CATHODE) JL1.17(VDD18-0) JL1.18(VDD18-1) RL24.2 RL25.2 RL26.2 RL27.2 RL34.1 RL35.1 RL36.2 RL37.2 RP23.1 U1.1L6(VCC-PJ) U1.1N6(VCC-LVDS) U1.1N7(VCC-PD)
BLDO3: UP1.P8(BLDO3)
BLDO4: CP28.2 RA9.1 RA15.1 RA18.1 RA60.1 UP1.N8(BLDO4)
BLDO5: C15.1 CP29.2 CW22.2 CW27.2 RP29.1 RW9.2 RW10.2 RW11.2 RW12.2 RW13.2 RW14.2 RW15.2 RW24.2 RW25.2 RW26.2 RW27.2 RW28.2 RW29.2 U1.1R5(VCC-PG) UW2.22(VDDIO) UW3.16(VIO)
BLDO-INPUT: CP22.2 RP28.2 RP220.2 UP1.R7(BLDOIN)
BOARD-ID-SEL-ADC: R8.2 R10.1 U1.1D26(BOARD-ID-ADC1)
BOARD-ID-SEL-GPIO: R3.2 R4.2 U1.AT1(PH15/UART5-RTS/LEDC/DSI-TRIG-LC)
BOOST-5V-EN: RP258.2 U1.1H26(PL12/S-UART1-TX/S-TWI1-SCK/S-TW)
BOOT-SEL-ADC: R5.2 R9.1 U1.1D24(BOOT-SEL-ADC)
BT-PCM-CLK: U1.Y2(PG11/I2S1-BCLK/TWI12-SCK/TWI9-S) UW2.26(PCM_CLK) UW3.30(GPIOA1)
BT-PCM-DIN: U1.AB1(PG13/I2S1-DOUT0/I2S1-DIN1/TWI6-) UW2.27(PCM_IN) UW3.29(GPIOA2)
BT-PCM-DOUT: U1.AA1(PG14/I2S1-DIN0/I2S1-DOUT1/TWI6-) UW2.25(PCM_OUT) UW3.28(GPIOA3)
BT-PCM-SYNC: U1.AA2(PG12/I2S1-LRCK/TWI12-SDA/TWI9-S) UW2.28(PCM_SYNC) UW3.32(GPIOA0)
BT-RESETN: RW4.2 RW25.1 RW60.1 RW61.1 RW62.2 U1.P36(PM2/S-JTAG-DO/S-SPI0-MOSI/S-UAR)
BT-UART-CTS: RW29.1 RW32.2 U1.V1(PG8/UART1-RTS/UART4-RTS/UART5-T) UW2.44(UART_CTS_N) UW3.12(GPIOA6)
BT-UART-RTS: RW28.1 RW31.2 U1.W2(PG9/UART1-CTS/UART4-CTS/UART5-R) UW2.41(UART_RTS_N) UW3.13(GPIOA7)
BT-UART-RX: RW26.1 U1.T1(PG6/UART1-TX/UART4-TX/PWM1-7/LP) UW2.43(UART_RXD) UW3.3(GPIOA4)
BT-UART-TX: RW27.1 U1.V2(PG7/UART1-RX/UART4-RX/PWM1-8/LP) UW2.42(UART_TXD) UW3.11(GPIOA5)
BT-WAKE-AP: RW24.1 U1.N37(PM4/S-UART0-TX/S-TWI2-SCK/S-TWI) UW2.7(BT_HOST_WAKE) UW3.48(GPIOB2)
CC1: CP138.2 DU11.2(CATHODE) JU1.19 RP259.2 RP266.1
CC1-AXP515: RP266.2 UP4.25(CC1)
CC2: CP139.2 DU12.2(CATHODE) JU1.20 RP261.2 RP265.1
CC2-AXP515: RP265.2 UP4.26(CC2)
CC-INT: RP263.2 U1.N36(PM5/S-UART0-RX/S-TWI2-SDA/S-TWI) UP5.B2(INT_N)
CK-SEL0: C84.1 R21.2 R22.2 U1.1K25(CK-SEL0)
CK-SEL1: C85.1 R23.2 R24.1 U1.1K26(CK-SEL1)
